# Altium PCB MB1191.PcbDoc (part 1 of 7) (continued)
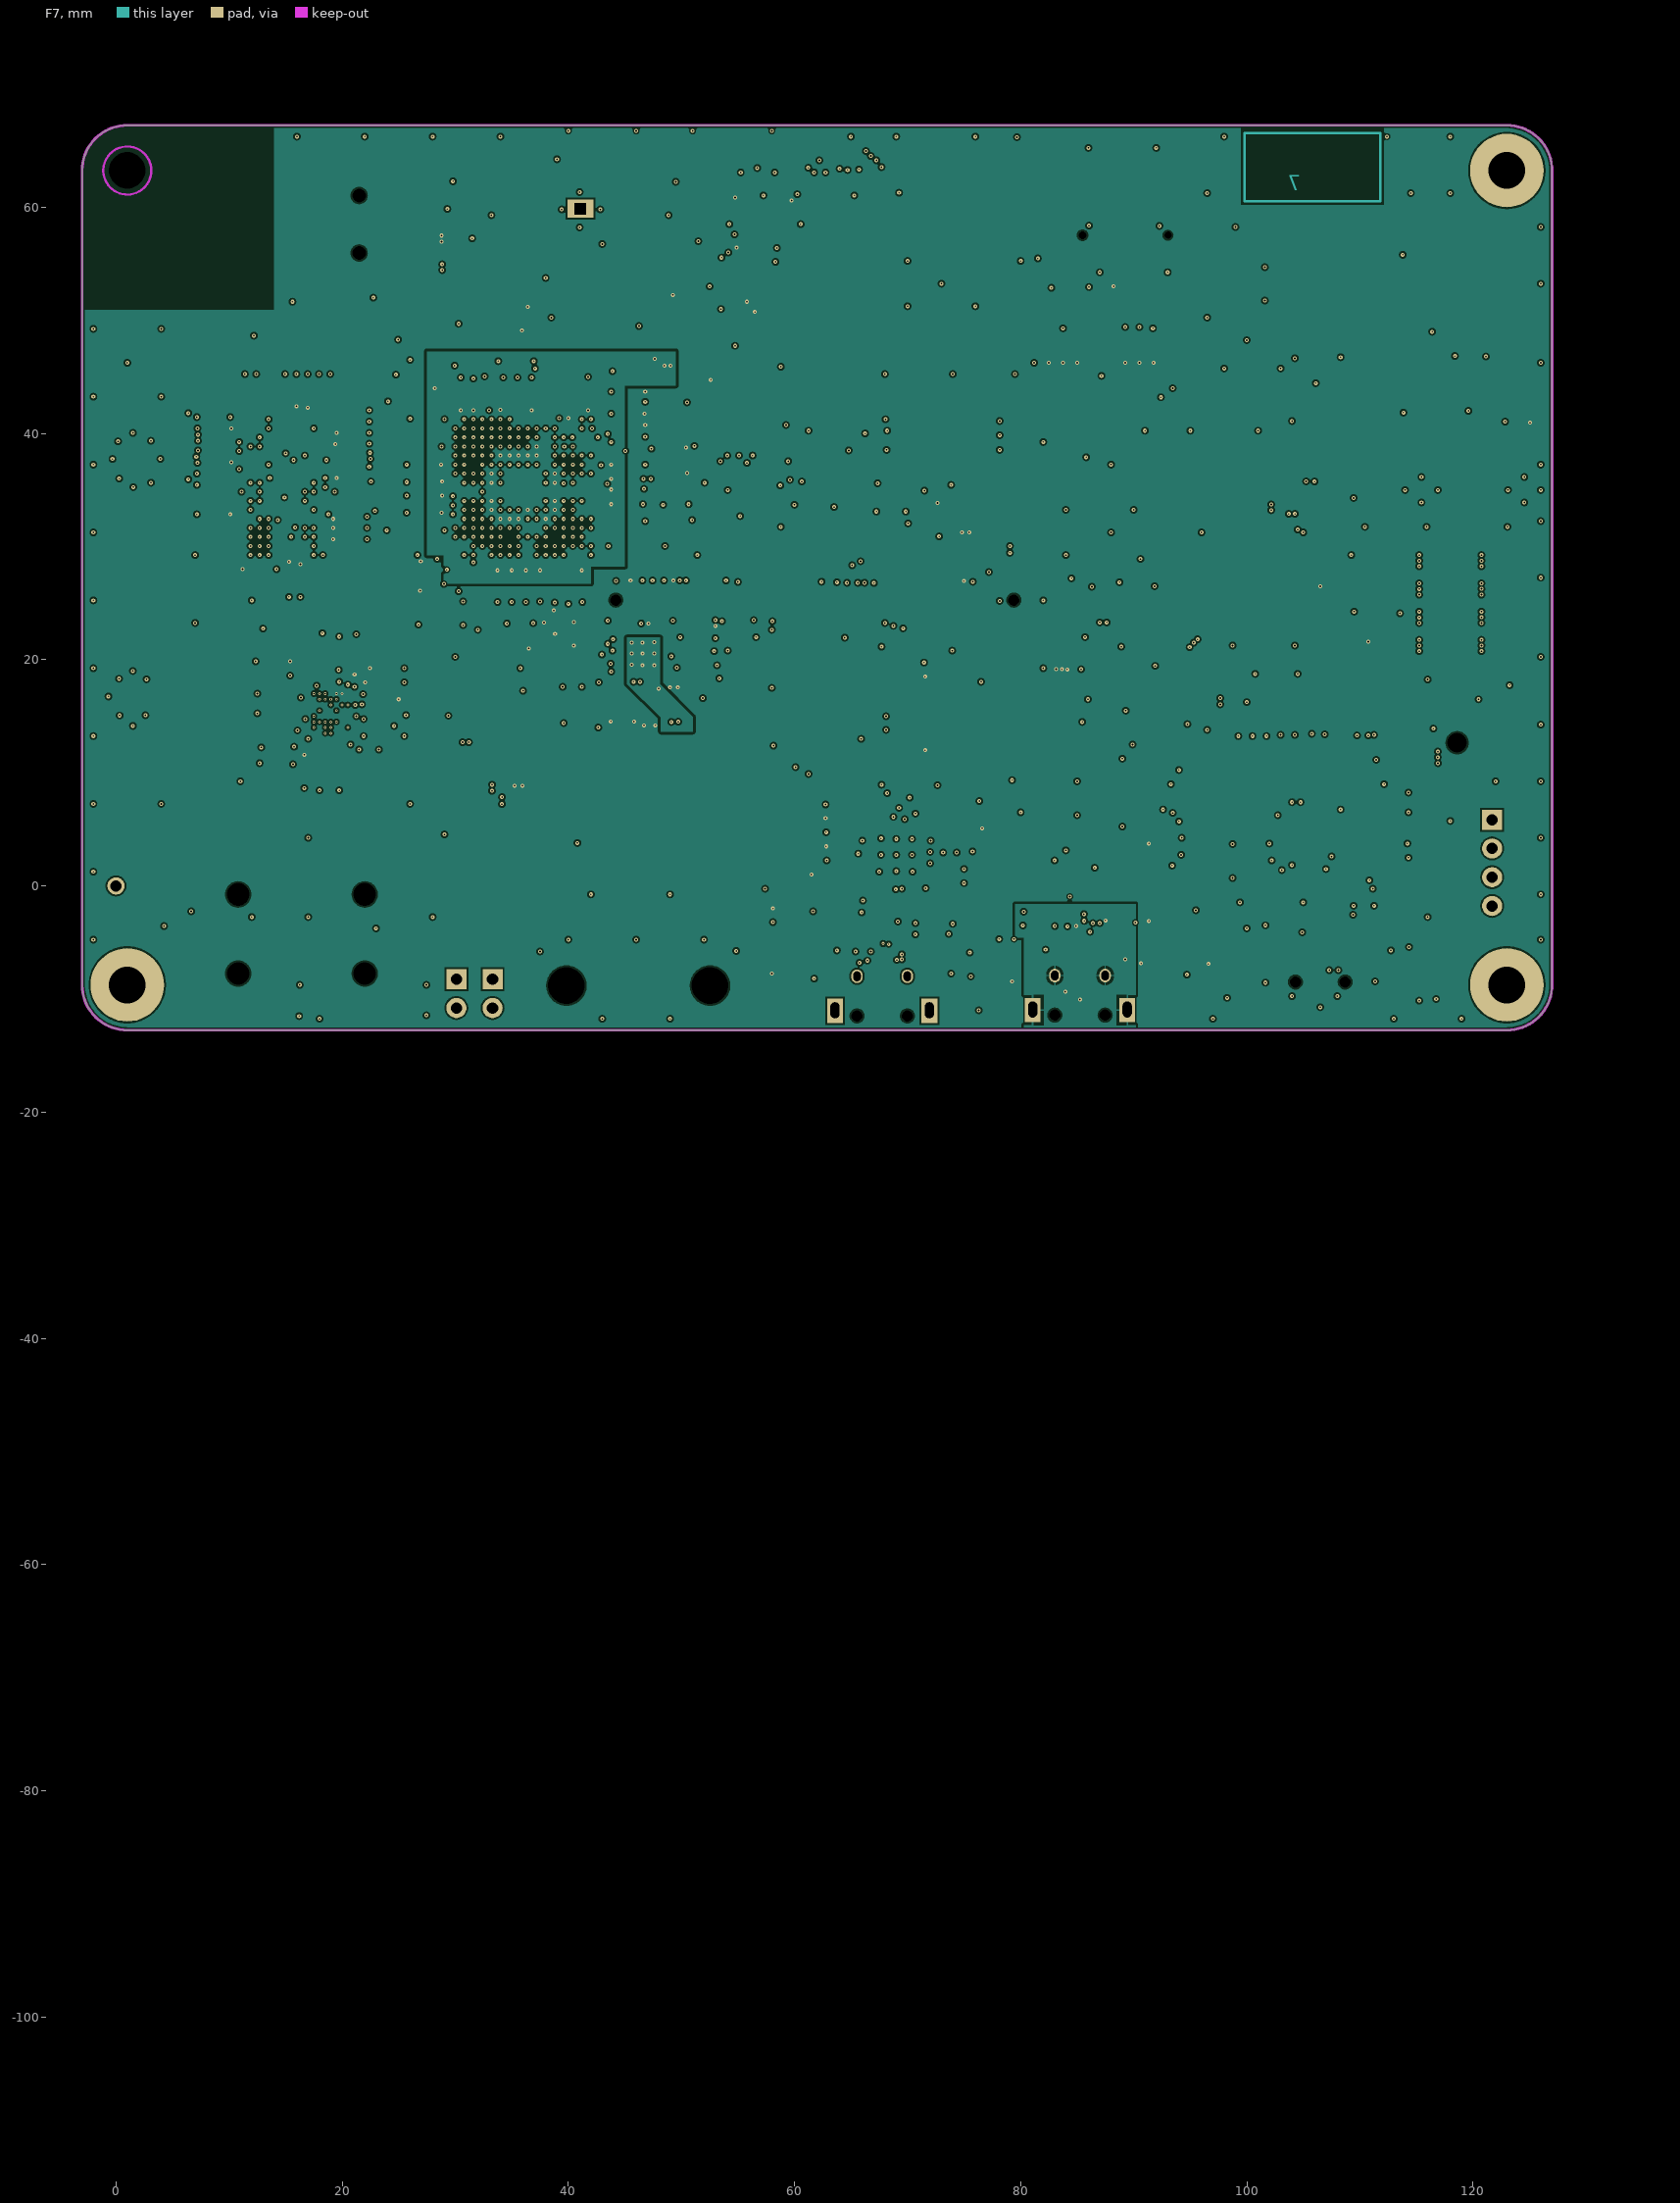
[diagram p7: F7]

## Layer stack, top to bottom
Top Mask: solder mask 0.015, Solder Resist, Dk 3.5
Top: signal copper 0.055
Dielectric 1: prepreg 0.108, Prepreg 2116, Dk 4.2
F2: signal copper 0.033
Dielectric2: core 0.125, Core 125, Dk 4.2
F3: signal copper 0.033
Dielectric3: prepreg 0.108, Prepreg 2116, Dk 4.2
F4: signal copper 0.033
Dielectric4: core 0.125, Core 125, Dk 4.2
F5: signal copper 0.033
Dielectric5: prepreg 0.108, Prepreg 2116, Dk 4.2
F6: signal copper 0.033
Dielectric6: core 0.125, Core 125, Dk 4.2
F7: signal copper 0.033
Dielectric7: prepreg 0.108, Prepreg 2116, Dk 4.2
Bottom: signal copper 0.055
Bottom Solder: solder mask 0.015, Solder Resist, Dk 3.5

## Board outline
-3,-8.75 ccw(c1,-8.75) 1,-12.75 123,-12.75 ccw(c123,-8.75) 127,-8.75 127,63.25 ccw(c123,63.25) 123,67.25 1,67.25 ccw(c1,63.25) -3,63.25

## Design rules (kind name [scope] priority, off if disabled: settings)
Clearance Clearance_CN1-1 [IsPad and (PadViaLibraryTemplate = 'r260_200hn100_160z0x0') vs InPolygon] p1: gap=0.15 ignorepadtopadclearanceinfootprint=FALSE
Clearance "Clearance_Polygon To Polygone" [InPolygon vs InPolygon] p2: gap=0.25 ignorepadtopadclearanceinfootprint=FALSE
Clearance Clearance_JP2_SMD [HasFootprint('JP2_SMD') vs InPolygon] p3: gap=0.25 ignorepadtopadclearanceinfootprint=FALSE
Clearance Clearance_TNM [(ObjectKind = 'Pad') And ((AsMM(HoleDiameter) = 2)) vs Inpolygon] p4: gap=0.15 ignorepadtopadclearanceinfootprint=FALSE
Clearance "Clearance_isvia to BGA" [WithinRoom('RoomDefinition_iso100µm') vs isvia] p5: gap=0.1 ignorepadtopadclearanceinfootprint=FALSE
Clearance "Clearance_Polygon To All" [InPolygon] p6: gap=0.15 ignorepadtopadclearanceinfootprint=FALSE
Clearance CopperToBoard [InPolygon vs (IsTrack Or IsArc) And OnLayer('Keep-out Layer')] p7: gap=0.5 ignorepadtopadclearanceinfootprint=FALSE
Clearance ViaToCopper [IsVia vs InPolygon] p8: gap=0.15 ignorepadtopadclearanceinfootprint=FALSE
Clearance ViaToVia [IsVia vs IsVia] p9: gap=0.15 ignorepadtopadclearanceinfootprint=FALSE
Clearance PadToCopper [IsPad vs InPolygon] p10: gap=0.15 ignorepadtopadclearanceinfootprint=FALSE
Clearance PadToVia [IsPad vs IsVia] p11: gap=0.12 ignorepadtopadclearanceinfootprint=FALSE
Clearance PadToPad [IsPad vs IsPad] p12: gap=0.125 ignorepadtopadclearanceinfootprint=FALSE
Clearance RouteToPad [IsTrack Or IsArc vs IsPad] p13: gap=0.12 ignorepadtopadclearanceinfootprint=FALSE
Clearance RouteToRoute [IsTrack or IsArc vs IsTrack or IsArc] p14: gap=0.12 ignorepadtopadclearanceinfootprint=FALSE
Clearance [All] p15: gap=0.12 ignorepadtopadclearanceinfootprint=FALSE
ComponentClearance [All] p1: gap=0.1 collisioncheckmode=3 verticalgap=0.254 showdistances=FALSE
DiffPairsRouting DiffPairsRouting_USB_FS1 [InDifferentialPair('USB_FS1')] p1: maxlimit=0.13 minlimit=0.13 mostfreqgap=0.13 toplayer_minwidth=0.15 toplayer_maxwidth=0.15 toplayer_prefwidth=0.15 midlayer1_minwidth=0.15 midlayer1_maxwidth=0.15 midlayer1_prefwidth=0.15 midlayer2_minwidth=0.15 midlayer2_maxwidth=0.15 midlayer2_prefwidth=0.15 midlayer3_minwidth=0.15 midlayer3_maxwidth=0.15 midlayer3_prefwidth=0.15 midlayer4_minwidth=0.15 midlayer4_maxwidth=0.15 midlayer4_prefwidth=0.15 midlayer5_minwidth=0.15 midlayer5_maxwidth=0.15 midlayer5_prefwidth=0.15 midlayer6_minwidth=0.15 midlayer6_maxwidth=0.15 midlayer6_prefwidth=0.15 bottomlayer_minwidth=0.15 bottomlayer_maxwidth=0.15 bottomlayer_prefwidth=0.15 maxuncoupledlength=12.7
DiffPairsRouting DiffPairsRouting_USB_HS [InDifferentialPair('USB_HS')] p2: maxlimit=0.17 minlimit=0.17 mostfreqgap=0.17 toplayer_minwidth=0.15 toplayer_maxwidth=0.15 toplayer_prefwidth=0.15 midlayer1_minwidth=0.15 midlayer1_maxwidth=0.15 midlayer1_prefwidth=0.15 midlayer2_minwidth=0.15 midlayer2_maxwidth=0.15 midlayer2_prefwidth=0.15 midlayer3_minwidth=0.15 midlayer3_maxwidth=0.15 midlayer3_prefwidth=0.15 midlayer4_minwidth=0.15 midlayer4_maxwidth=0.15 midlayer4_prefwidth=0.15 midlayer5_minwidth=0.15 midlayer5_maxwidth=0.15 midlayer5_prefwidth=0.15 midlayer6_minwidth=0.15 midlayer6_maxwidth=0.15 midlayer6_prefwidth=0.15 bottomlayer_minwidth=0.15 bottomlayer_maxwidth=0.15 bottomlayer_prefwidth=0.15 maxuncoupledlength=12.7
DiffPairsRouting DiffPairsRouting_TD [InDifferentialPair('TD')] p3: maxlimit=0.175 minlimit=0.175 mostfreqgap=0.175 toplayer_minwidth=0.125 toplayer_maxwidth=0.125 toplayer_prefwidth=0.125 midlayer1_minwidth=0.125 midlayer1_maxwidth=0.125 midlayer1_prefwidth=0.125 midlayer2_minwidth=0.125 midlayer2_maxwidth=0.125 midlayer2_prefwidth=0.125 midlayer3_minwidth=0.125 midlayer3_maxwidth=0.125 midlayer3_prefwidth=0.125 midlayer4_minwidth=0.125 midlayer4_maxwidth=0.125 midlayer4_prefwidth=0.125 midlayer5_minwidth=0.125 midlayer5_maxwidth=0.125 midlayer5_prefwidth=0.125 midlayer6_minwidth=0.125 midlayer6_maxwidth=0.125 midlayer6_prefwidth=0.125 bottomlayer_minwidth=0.125 bottomlayer_maxwidth=0.125 bottomlayer_prefwidth=0.125 maxuncoupledlength=12.7
DiffPairsRouting DiffPairsRouting_RD [InDifferentialPair('RD')] p4: maxlimit=0.165 minlimit=0.165 mostfreqgap=0.165 toplayer_minwidth=0.125 toplayer_maxwidth=0.125 toplayer_prefwidth=0.125 midlayer1_minwidth=0.125 midlayer1_maxwidth=0.125 midlayer1_prefwidth=0.125 midlayer2_minwidth=0.125 midlayer2_maxwidth=0.125 midlayer2_prefwidth=0.125 midlayer3_minwidth=0.125 midlayer3_maxwidth=0.125 midlayer3_prefwidth=0.125 midlayer4_minwidth=0.125 midlayer4_maxwidth=0.125 midlayer4_prefwidth=0.125 midlayer5_minwidth=0.125 midlayer5_maxwidth=0.125 midlayer5_prefwidth=0.125 midlayer6_minwidth=0.125 midlayer6_maxwidth=0.125 midlayer6_prefwidth=0.125 bottomlayer_minwidth=0.125 bottomlayer_maxwidth=0.125 bottomlayer_prefwidth=0.125 maxuncoupledlength=12.7
HoleSize [All] p1: absolutevalues=TRUE maxlimit=10 minlimit=0.025 maxpercent=80.000 minpercent=20.000
MatchedLengths "Schematic Matched Net Lengths_43" [InNet('USB_HS_P')] p1: tolerance=3.81 checknetsindiffpair=TRUE checkdiffpairvsdiffpair=FALSE checkxsignals=FALSE checkothers=FALSE
MatchedLengths "Schematic Matched Net Lengths_42" [InNet('USB_HS_N')] p2: tolerance=3.81 checknetsindiffpair=TRUE checkdiffpairvsdiffpair=FALSE checkxsignals=FALSE checkothers=FALSE
MatchedLengths "Schematic Matched Net Lengths_41" [InNet('PG15')] p3: tolerance=2.54 checknetsindiffpair=FALSE checkdiffpairvsdiffpair=TRUE checkxsignals=TRUE checkothers=TRUE
MatchedLengths "Schematic Matched Net Lengths_40" [InNet('PA5')] p4: tolerance=2.54 checknetsindiffpair=FALSE checkdiffpairvsdiffpair=TRUE checkxsignals=TRUE checkothers=TRUE
MatchedLengths "Schematic Matched Net Lengths_39" [InNet('PH3')] p5: tolerance=2.54 checknetsindiffpair=FALSE checkdiffpairvsdiffpair=TRUE checkxsignals=TRUE checkothers=TRUE
MatchedLengths "Schematic Matched Net Lengths_38" [InNet('PH5')] p6: tolerance=2.54 checknetsindiffpair=FALSE checkdiffpairvsdiffpair=TRUE checkxsignals=TRUE checkothers=TRUE
MatchedLengths "Schematic Matched Net Lengths_37" [InNet('PD12')] p7: tolerance=2.54 checknetsindiffpair=FALSE checkdiffpairvsdiffpair=TRUE checkxsignals=TRUE checkothers=TRUE
MatchedLengths "Schematic Matched Net Lengths_36" [InNet('PC5')] p8: tolerance=2.54 checknetsindiffpair=FALSE checkdiffpairvsdiffpair=TRUE checkxsignals=TRUE checkothers=TRUE
MatchedLengths "Schematic Matched Net Lengths_35" [InNet('PD11')] p9: tolerance=2.54 checknetsindiffpair=FALSE checkdiffpairvsdiffpair=TRUE checkxsignals=TRUE checkothers=TRUE
MatchedLengths "Schematic Matched Net Lengths_34" [InNet('PC2')] p10: tolerance=2.54 checknetsindiffpair=FALSE checkdiffpairvsdiffpair=TRUE checkxsignals=TRUE checkothers=TRUE
MatchedLengths "Schematic Matched Net Lengths_33" [InNet('PC0')] p11: tolerance=2.54 checknetsindiffpair=FALSE checkdiffpairvsdiffpair=TRUE checkxsignals=TRUE checkothers=TRUE
MatchedLengths "Schematic Matched Net Lengths_32" [InNet('PG9')] p12: tolerance=2.54 checknetsindiffpair=FALSE checkdiffpairvsdiffpair=TRUE checkxsignals=TRUE checkothers=TRUE
MatchedLengths "Schematic Matched Net Lengths_31" [InNet('PC3')] p13: tolerance=2.54 checknetsindiffpair=FALSE checkdiffpairvsdiffpair=TRUE checkxsignals=TRUE checkothers=TRUE
MatchedLengths "Schematic Matched Net Lengths_30" [InNet('PA2')] p14: tolerance=2.54 checknetsindiffpair=FALSE checkdiffpairvsdiffpair=TRUE checkxsignals=TRUE checkothers=TRUE
MatchedLengths "Schematic Matched Net Lengths_29" [InNet('PI10')] p15: tolerance=2.54 checknetsindiffpair=FALSE checkdiffpairvsdiffpair=TRUE checkxsignals=TRUE checkothers=TRUE
MatchedLengths "Schematic Matched Net Lengths_28" [InNetClass('ULPI_D[0..7]')] p16: tolerance=2.54 checknetsindiffpair=FALSE checkdiffpairvsdiffpair=TRUE checkxsignals=TRUE checkothers=TRUE
MatchedLengths "Schematic Matched Net Lengths_27" [InNet('RD_P')] p17: tolerance=2.54 checknetsindiffpair=TRUE checkdiffpairvsdiffpair=FALSE checkxsignals=FALSE checkothers=FALSE
MatchedLengths "Schematic Matched Net Lengths_26" [InNet('PA7')] p18: tolerance=2.54 checknetsindiffpair=FALSE checkdiffpairvsdiffpair=TRUE checkxsignals=TRUE checkothers=TRUE
MatchedLengths "Schematic Matched Net Lengths_25" [InNet('PG14')] p19: tolerance=2.54 checknetsindiffpair=FALSE checkdiffpairvsdiffpair=TRUE checkxsignals=TRUE checkothers=TRUE
MatchedLengths "Schematic Matched Net Lengths_24" [InNet('PH4')] p20: tolerance=2.54 checknetsindiffpair=FALSE checkdiffpairvsdiffpair=TRUE checkxsignals=TRUE checkothers=TRUE
MatchedLengths "Schematic Matched Net Lengths_23" [InNet('PG11')] p21: tolerance=2.54 checknetsindiffpair=FALSE checkdiffpairvsdiffpair=TRUE checkxsignals=TRUE checkothers=TRUE
MatchedLengths "Schematic Matched Net Lengths_22" [InNet('PB6')] p22: tolerance=2.54 checknetsindiffpair=FALSE checkdiffpairvsdiffpair=TRUE checkxsignals=TRUE checkothers=TRUE
MatchedLengths "Schematic Matched Net Lengths_21" [InNet('PG8')] p23: tolerance=2.54 checknetsindiffpair=FALSE checkdiffpairvsdiffpair=TRUE checkxsignals=TRUE checkothers=TRUE
MatchedLengths "Schematic Matched Net Lengths_20" [InNet('TD_N')] p24: tolerance=2.54 checknetsindiffpair=TRUE checkdiffpairvsdiffpair=FALSE checkxsignals=FALSE checkothers=FALSE
MatchedLengths "Schematic Matched Net Lengths_19" [InNet('TD_P')] p25: tolerance=2.54 checknetsindiffpair=TRUE checkdiffpairvsdiffpair=FALSE checkxsignals=FALSE checkothers=FALSE
MatchedLengths "Schematic Matched Net Lengths_18" [InNet('PC4')] p26: tolerance=2.54 checknetsindiffpair=FALSE checkdiffpairvsdiffpair=TRUE checkxsignals=TRUE checkothers=TRUE
MatchedLengths "Schematic Matched Net Lengths_17" [InNet('PE2')] p27: tolerance=2.54 checknetsindiffpair=FALSE checkdiffpairvsdiffpair=TRUE checkxsignals=TRUE checkothers=TRUE
MatchedLengths "Schematic Matched Net Lengths_16" [InNet('PD13')] p28: tolerance=2.54 checknetsindiffpair=FALSE checkdiffpairvsdiffpair=TRUE checkxsignals=TRUE checkothers=TRUE
MatchedLengths "Schematic Matched Net Lengths_15" [InNet('PA1')] p29: tolerance=2.54 checknetsindiffpair=FALSE checkdiffpairvsdiffpair=TRUE checkxsignals=TRUE checkothers=TRUE
MatchedLengths "Schematic Matched Net Lengths_14" [InNet('PI14')] p30: tolerance=2.54 checknetsindiffpair=FALSE checkdiffpairvsdiffpair=TRUE checkxsignals=TRUE checkothers=TRUE
MatchedLengths "Schematic Matched Net Lengths_13" [InNet('PA6')] p31: tolerance=2.54 checknetsindiffpair=FALSE checkdiffpairvsdiffpair=TRUE checkxsignals=TRUE checkothers=TRUE
MatchedLengths "Schematic Matched Net Lengths_12" [InNet('PG13')] p32: tolerance=2.54 checknetsindiffpair=FALSE checkdiffpairvsdiffpair=TRUE checkxsignals=TRUE checkothers=TRUE
MatchedLengths "Schematic Matched Net Lengths_11" [InNet('PA4')] p33: tolerance=2.54 checknetsindiffpair=FALSE checkdiffpairvsdiffpair=TRUE checkxsignals=TRUE checkothers=TRUE
MatchedLengths "Schematic Matched Net Lengths_10" [InNet('PC1')] p34: tolerance=2.54 checknetsindiffpair=FALSE checkdiffpairvsdiffpair=TRUE checkxsignals=TRUE checkothers=TRUE
MatchedLengths "Schematic Matched Net Lengths_9" [InNet('PI9')] p35: tolerance=2.54 checknetsindiffpair=FALSE checkdiffpairvsdiffpair=TRUE checkxsignals=TRUE checkothers=TRUE
MatchedLengths "Schematic Matched Net Lengths_8" [InNet('PB2')] p36: tolerance=2.54 checknetsindiffpair=FALSE checkdiffpairvsdiffpair=TRUE checkxsignals=TRUE checkothers=TRUE
MatchedLengths "Schematic Matched Net Lengths_7" [InNetClass('PF[0..15]')] p37: tolerance=2.54 checknetsindiffpair=FALSE checkdiffpairvsdiffpair=TRUE checkxsignals=TRUE checkothers=TRUE
MatchedLengths "Schematic Matched Net Lengths_6" [InNetClass('FMC_A[0..11]')] p38: tolerance=2.54 checknetsindiffpair=FALSE checkdiffpairvsdiffpair=TRUE checkxsignals=TRUE checkothers=TRUE
MatchedLengths "Schematic Matched Net Lengths_5" [InNetClass('FMC_D[0..15]')] p39: tolerance=2.54 checknetsindiffpair=FALSE checkdiffpairvsdiffpair=TRUE checkxsignals=TRUE checkothers=TRUE
MatchedLengths "Schematic Matched Net Lengths_4" [InNetClass('LCD_B[0..7]')] p40: tolerance=2.54 checknetsindiffpair=FALSE checkdiffpairvsdiffpair=TRUE checkxsignals=TRUE checkothers=TRUE
MatchedLengths "Schematic Matched Net Lengths_3" [InNetClass('LCD_R[0..7]')] p41: tolerance=2.54 checknetsindiffpair=FALSE checkdiffpairvsdiffpair=TRUE checkxsignals=TRUE checkothers=TRUE
MatchedLengths "Schematic Matched Net Lengths_2" [InNet('RD_N')] p42: tolerance=2.54 checknetsindiffpair=TRUE checkdiffpairvsdiffpair=FALSE checkxsignals=FALSE checkothers=FALSE
MatchedLengths "Schematic Matched Net Lengths_1" [InNetClass('DCMI_D[0..7]')] p43: tolerance=2.54 checknetsindiffpair=FALSE checkdiffpairvsdiffpair=TRUE checkxsignals=TRUE checkothers=TRUE
MatchedLengths "Schematic Matched Net Lengths" [InNetClass('LCD_G[0..7]')] p44: tolerance=2.54 checknetsindiffpair=FALSE checkdiffpairvsdiffpair=TRUE checkxsignals=TRUE checkothers=TRUE
PolygonConnect PolygonConnect_CN8-1 [(ObjectKind = 'Pad') And (Name = 'CN8-1')] p1: connectstyle=Direct reliefconductorwidth=0.254 reliefentries=4 polygonreliefangle="90 Angle" airgapwidth=0.254
PolygonConnect "PolygonConnect_U21-5-6 To GND" [(ObjectKind = 'Pad') And (Name = 'U21-5') vs OnBottomLayer] p2: connectstyle=Relief reliefconductorwidth=0.15 reliefentries=4 polygonreliefangle="90 Angle" airgapwidth=0.25
PolygonConnect "PolygonConnect_U20-5-6 To GND" [(ObjectKind = 'Pad') And (Name = 'U20-5') vs OnBottomLayer] p3: connectstyle=Relief reliefconductorwidth=0.15 reliefentries=4 polygonreliefangle="90 Angle" airgapwidth=0.25
PolygonConnect "PolygonConnect_CN8-3 To GND" [(ObjectKind = 'Pad') And (Name = 'CN8-3') vs OnBottomLayer     or (Layer = 'F3') or     (Layer = 'F4')  or     (Layer = 'F6')] p4: connectstyle=Relief reliefconductorwidth=0.15 reliefentries=4 polygonreliefangle="90 Angle" airgapwidth=0.25
PolygonConnect "PolygonConnect_CN13-6 To GND" [(ObjectKind = 'Pad') And (Name = 'CN13-6') vs OnBottomLayer     or (Layer = 'F3') or     (Layer = 'F4')  or     (Layer = 'F6')  or     (Layer = 'F7')] p5: connectstyle=Relief reliefconductorwidth=0.15 reliefentries=4 polygonreliefangle="90 Angle" airgapwidth=0.25
PolygonConnect PolygonConnect_TEMPLATE18 [(ObjectKind = 'Poly') And (Name = 'TEMPLATE18')] p6: connectstyle=Direct reliefconductorwidth=0.254 reliefentries=4 polygonreliefangle="90 Angle" airgapwidth=0.254
PolygonConnect PolygonConnect_TEMPLATE15 [(ObjectKind = 'Poly') And (Name = 'TEMPLATE15')] p7: connectstyle=Direct reliefconductorwidth=0.254 reliefentries=4 polygonreliefangle="90 Angle" airgapwidth=0.254
PolygonConnect PolygonConnect_TEMPLATE16 [(ObjectKind = 'Poly') And (Name = 'TEMPLATE16')] p8: connectstyle=Direct reliefconductorwidth=0.254 reliefentries=4 polygonreliefangle="90 Angle" airgapwidth=0.254
PolygonConnect PolygonConnect_TEMPLATE14 [(ObjectKind = 'Poly') And (Name = 'TEMPLATE14')] p9: connectstyle=Direct reliefconductorwidth=0.254 reliefentries=4 polygonreliefangle="90 Angle" airgapwidth=0.254
PolygonConnect PolygonConnect_TEMPLATE12 [(ObjectKind = 'Poly') And (Name = 'TEMPLATE12')] p10: connectstyle=Direct reliefconductorwidth=0.254 reliefentries=4 polygonreliefangle="90 Angle" airgapwidth=0.254
PolygonConnect PolygonConnect_TEMPLATE9 [(ObjectKind = 'Poly') And (Name = 'TEMPLATE9')] p11: connectstyle=Direct reliefconductorwidth=0.254 reliefentries=4 polygonreliefangle="90 Angle" airgapwidth=0.254
PolygonConnect [All] p12: thpad.connectstyle=Relief thpad.reliefconductorwidth=0.15 thpad.reliefentries=4 thpad.polygonreliefangle="90 Angle" thpad.airgapwidth=0.15 smdpad.connectstyle=Relief smdpad.reliefconductorwidth=0.15 smdpad.reliefentries=4 smdpad.polygonreliefangle="90 Angle" smdpad.airgapwidth=0.15 via.connectstyle=Direct via.reliefconductorwidth=0.254 via.reliefentries=4 via.polygonreliefangle="90 Angle" via.airgapwidth=0.254
RoomDefinition RoomDefinition_iso100µm [False] p1: confinementstyle=ConfineIn formatcopy=TRUE lockcomponents=FALSE outline 16.675,17.825 16.9,17.6 21.1,17.6 21.1,12.9 21.043,12.957 16.677,12.957 16.677,17.477 16.85,17.65
RoutingLayers RoutingLayers_DiffPairs [InDifferentialPairClass('All Differential Pairs')] p1: top layer_v5=TRUE mid layer 1_v5=FALSE mid layer 2_v5=FALSE mid layer 3_v5=FALSE mid layer 4_v5=FALSE mid layer 5_v5=FALSE mid layer 6_v5=FALSE bottom layer_v5=TRUE
RoutingLayers [All] p2: top layer_v5=TRUE mid layer 1_v5=TRUE mid layer 2_v5=TRUE mid layer 3_v5=TRUE mid layer 4_v5=TRUE mid layer 5_v5=TRUE mid layer 6_v5=TRUE bottom layer_v5=TRUE
RoutingVias [All] p1: holewidth=0.15 width=0.35 viastyle="Through Hole" minholewidth=0.1 minwidth=0.25 maxholewidth=0.15 maxwidth=0.35
SolderMaskExpansion [All] p1: expansion=0.102 istentingtop=FALSE
Width [All] p1: maxlimit=1 minlimit=0.12 preferedwidth=0.12
26 further rules are at their usual default settings.

## Classes and differential pairs
component class Camera-Connectors: C1 C2 C3 P1 R1 R2 R3 R4 X1
component class "U_Arduino_ Connectors": C90 CN4 CN5 CN6 CN7 LD1 R59 R96 SB1 SB3 SB4 SB5 SB8
component class U_AUDIO: C4 C6 C7 C9 C30 C69 C70 C71 C72 C77 C78 C79 C80 C87 C88 C89 C92 C93 C102 C103 C104 C105 C106 C107 C115 CN1 CN10 CN11 JP3 JP4 R6 R7 R8 R9 R10 R22 R47 R76 R80 R83 R87 R102 R121 TP3 U1 U2 U11 U20 U21
component class U_Ethernet: C60 C63 C66 C67 C73 C74 C81 C82 C83 CN9 L2 R65 R66 R67 R68 R69 R70 R71 R73 R77 R78 R84 R88 R89 R90 R91 R92 R93 R94 R95 U9
component class U_LCD-43: C49 C53 C64 C65 C95 C96 C97 D5 L3 L4 L5 R74 R75 R81 R82 R85 U10 U19
component class U_Peripherals: B1 B2 C10 C25 CN2 CN3 R11 R12 R13 R14 R15 R16 R17 R18 R19 R39 SB2 SB6 SB7
component class U_QSPI: C38 R57 U3
component class U_SDRAM: C15 C16 C26 C27 C28 C31 C34 C42 C43 C45 C46 C50 C51 C52 R23 R24 R25 R26 R27 R36 R37 R40 R41 R43 R48 R49 R50 R51 R52 R53 R55 R56 U4
component class U_ST_LINK_V2-1: C29 C41 C61 C62 C68 C75 C76 C84 C85 C86 C91 C94 C98 C99 C100 C101 C108 C109 C113 C118 CN8 CN14 D1 D2 D3 D4 D6 JP1 JP2 LD2 LD7 R60 R72 R79 R86 R97 R98 R99 R100 R101 R105 R108 R109 R112 R118 R120 R127 R128 R129 R138 R139 SB9 SB10 SB11 SB12 SB13 SB14 SB15 SB16 SB17 T3 U6 U7 U8 U12 U13 U14 X4
component class U_STM32F7: C5 C8 C11 C12 C13 C14 C17 C18 C19 C20 C21 C22 C23 C24 C32 C33 C35 C36 C37 C39 C40 C44 C47 C48 C54 C55 C56 C57 C58 C59 L1 R5 R20 R21 R28 R29 R30 R31 R32 R33 R34 R35 R38 R42 R44 R45 R46 R54 R58 R61 R62 R63 R64 TP1 TP2 U5 X2 X3
component class U_USB_OTG_FS: C112 CN13 LD5 LD6 R116 R117 R119 R125 R126 R132 R133 R134 R135 R136 R137 SB18 T2 U16 U18
component class U_USB_OTG_HS: C110 C111 C114 C116 C117 C119 C120 C121 C122 C123 CN12 D7 L6 L7 LD3 LD4 R103 R104 R106 R107 R110 R111 R113 R114 R115 R122 R123 R124 R130 R131 R140 R141 T1 U15 U17 U22
net class ARD_A[0..5]: ARD_A0 ARD_A1 ARD_A2 ARD_A3 ARD_A4 ARD_A5
net class ARD_D[0..15]: ARD_D0 ARD_D1 ARD_D2 ARD_D3 ARD_D4 ARD_D5 ARD_D6 ARD_D7 ARD_D8 ARD_D9 ARD_D10 ARD_D11 ARD_D12 ARD_D13 ARD_D14 ARD_D15
net class DCMI_D[0..7]: DCMI_D0 DCMI_D1 DCMI_D2 DCMI_D3 DCMI_D4 DCMI_D5 DCMI_D6 DCMI_D7
net class FMC_A[0..11]: FMC_A0 FMC_A1 FMC_A2 FMC_A3 FMC_A4 FMC_A5 FMC_A6 FMC_A7 FMC_A8 FMC_A9 FMC_A10 FMC_A11
net class FMC_D[0..15]: FMC_D0 FMC_D1 FMC_D2 FMC_D3 FMC_D4 FMC_D5 FMC_D6 FMC_D7 FMC_D8 FMC_D9 FMC_D10 FMC_D11 FMC_D12 FMC_D13 FMC_D14 FMC_D15
net class LCD_B[0..7]: LCD_B0 LCD_B1 LCD_B2 LCD_B3 LCD_B4 LCD_B5 LCD_B6 LCD_B7
net class LCD_G[0..7]: LCD_G0 LCD_G1 LCD_G2 LCD_G3 LCD_G4 LCD_G5 LCD_G6 LCD_G7
net class LCD_R[0..7]: LCD_R0 LCD_R1 LCD_R2 LCD_R3 LCD_R4 LCD_R5 LCD_R6 LCD_R7
net class PA[0..15]: PA1 PA2 PA3 PA4 PA5 PA6 PA7 PA9 PA10 PA11 PA12 PA13 PA14
net class PB[0..15]: PB0 PB1 PB2 PB3 PB5 PB6 PB7 PB10 PB11 PB12 PB13
net class PC[0..15]: PC0 PC1 PC2 PC3 PC4 PC5 PC8 PC9 PC10 PC11 PC12 PC13 PC14 PC15
net class PD[0..15]: PD2 PD4 PD5 PD6 PD7 PD11 PD12 PD13
net class PE[0..15]: PE0 PE1 PE2 PE3
net class PF[0..15]: PF11
net class PG[0..15]: PG2 PG3 PG4 PG5 PG8 PG9 PG10 PG11 PG13 PG14 PG15
net class PH[0..15]: PH0 PH1 PH2 PH3 PH4 PH5 PH7 PH8 PH13 PH15
net class PI[0..15]: PI4 PI5 PI6 PI7 PI8 PI9 PI10 PI11 PI12 PI13 PI14
net class PJ[0..15]: PJ12
net class PK[0..7]: PK3 PK7
differential pair USB_FS1: +USB_FS1_P -USB_FS1_N
differential pair USB_HS: +USB_HS_P -USB_HS_N
differential pair TD: +TD_P -TD_N
differential pair RD: +RD_P -RD_N
